# KiCad board badge.kicad_pcb (continued)
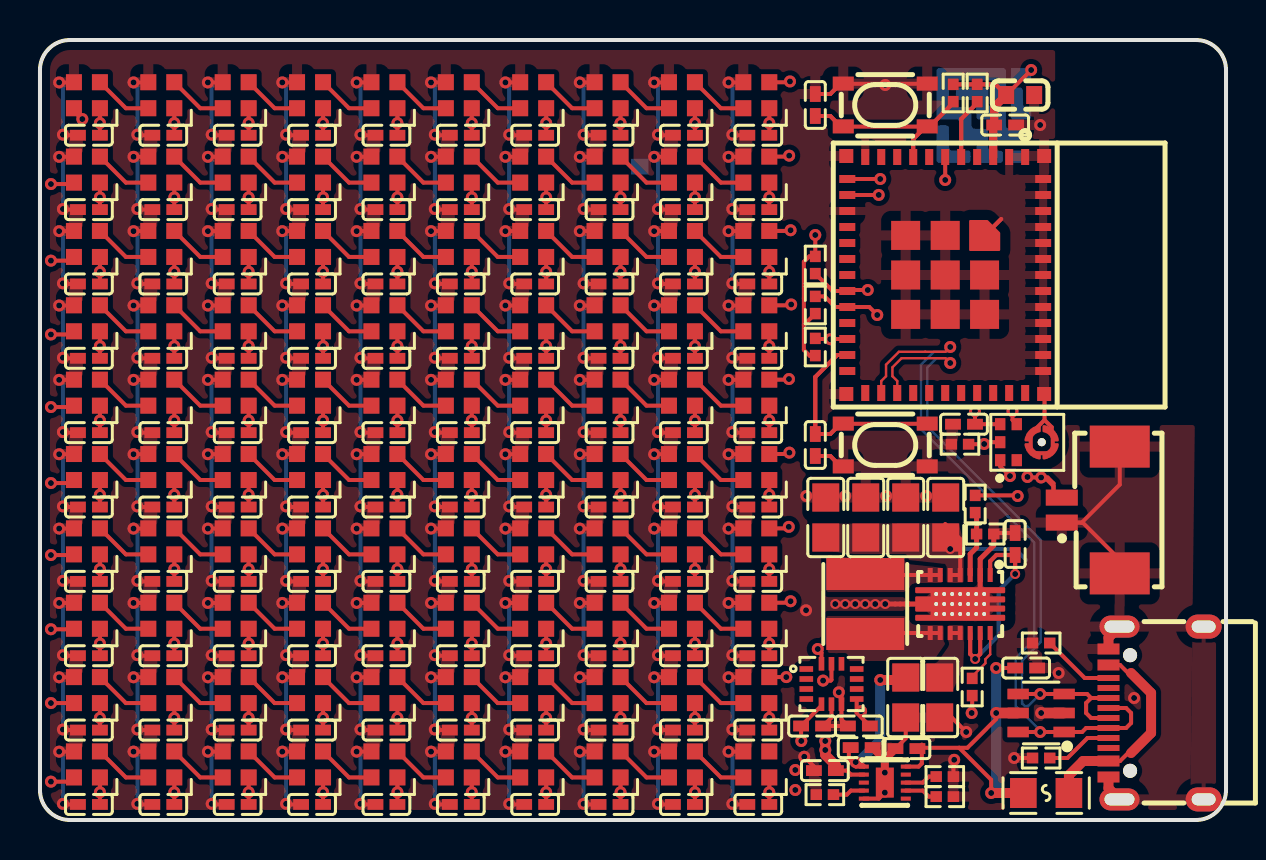
[diagram p0: board, top side]
## Library data of the parts (continued)
LED10 = -: __atopile_lib_fp_hash__: 180da655-92ec-f3a9-06cc-15ce99e7547f; LCSC: C2890036; Manufacturer: OPSCO; Partnumber: SK6805-EC20; atopile_address: led_grid.rows[0].leds[9].package; atopile_subaddresses: [.ato/modules/atopile/addressable-leds/layouts/default/default.kicad_pcb:package, layouts/grid100x100/grid100x100.kicad_pcb:rows[0].leds[9].package, layouts/strip10/strip10.kicad_pcb:leds[9].package]
LED11 = -: __atopile_lib_fp_hash__: 180da655-92ec-f3a9-06cc-15ce99e7547f; LCSC: C2890036; Manufacturer: OPSCO; Partnumber: SK6805-EC20; atopile_address: led_grid.rows[1].leds[0].package; atopile_subaddresses: [.ato/modules/atopile/addressable-leds/layouts/default/default.kicad_pcb:package, layouts/grid100x100/grid100x100.kicad_pcb:rows[1].leds[0].package, layouts/strip10/strip10.kicad_pcb:leds[0].package]
LED12 = -: __atopile_lib_fp_hash__: 180da655-92ec-f3a9-06cc-15ce99e7547f; LCSC: C2890036; Manufacturer: OPSCO; Partnumber: SK6805-EC20; atopile_address: led_grid.rows[1].leds[1].package; atopile_subaddresses: [.ato/modules/atopile/addressable-leds/layouts/default/default.kicad_pcb:package, layouts/grid100x100/grid100x100.kicad_pcb:rows[1].leds[1].package, layouts/strip10/strip10.kicad_pcb:leds[1].package]
LED13 = -: __atopile_lib_fp_hash__: 180da655-92ec-f3a9-06cc-15ce99e7547f; LCSC: C2890036; Manufacturer: OPSCO; Partnumber: SK6805-EC20; atopile_address: led_grid.rows[1].leds[2].package; atopile_subaddresses: [.ato/modules/atopile/addressable-leds/layouts/default/default.kicad_pcb:package, layouts/grid100x100/grid100x100.kicad_pcb:rows[1].leds[2].package, layouts/strip10/strip10.kicad_pcb:leds[2].package]
LED14 = -: __atopile_lib_fp_hash__: 180da655-92ec-f3a9-06cc-15ce99e7547f; LCSC: C2890036; Manufacturer: OPSCO; Partnumber: SK6805-EC20; atopile_address: led_grid.rows[1].leds[3].package; atopile_subaddresses: [.ato/modules/atopile/addressable-leds/layouts/default/default.kicad_pcb:package, layouts/grid100x100/grid100x100.kicad_pcb:rows[1].leds[3].package, layouts/strip10/strip10.kicad_pcb:leds[3].package]
LED15 = -: __atopile_lib_fp_hash__: 180da655-92ec-f3a9-06cc-15ce99e7547f; LCSC: C2890036; Manufacturer: OPSCO; Partnumber: SK6805-EC20; atopile_address: led_grid.rows[1].leds[4].package; atopile_subaddresses: [.ato/modules/atopile/addressable-leds/layouts/default/default.kicad_pcb:package, layouts/grid100x100/grid100x100.kicad_pcb:rows[1].leds[4].package, layouts/strip10/strip10.kicad_pcb:leds[4].package]
LED16 = -: __atopile_lib_fp_hash__: 180da655-92ec-f3a9-06cc-15ce99e7547f; LCSC: C2890036; Manufacturer: OPSCO; Partnumber: SK6805-EC20; atopile_address: led_grid.rows[1].leds[5].package; atopile_subaddresses: [.ato/modules/atopile/addressable-leds/layouts/default/default.kicad_pcb:package, layouts/grid100x100/grid100x100.kicad_pcb:rows[1].leds[5].package, layouts/strip10/strip10.kicad_pcb:leds[5].package]
LED17 = -: __atopile_lib_fp_hash__: 180da655-92ec-f3a9-06cc-15ce99e7547f; LCSC: C2890036; Manufacturer: OPSCO; Partnumber: SK6805-EC20; atopile_address: led_grid.rows[1].leds[6].package; atopile_subaddresses: [.ato/modules/atopile/addressable-leds/layouts/default/default.kicad_pcb:package, layouts/grid100x100/grid100x100.kicad_pcb:rows[1].leds[6].package, layouts/strip10/strip10.kicad_pcb:leds[6].package]
LED18 = -: __atopile_lib_fp_hash__: 180da655-92ec-f3a9-06cc-15ce99e7547f; LCSC: C2890036; Manufacturer: OPSCO; Partnumber: SK6805-EC20; atopile_address: led_grid.rows[1].leds[7].package; atopile_subaddresses: [.ato/modules/atopile/addressable-leds/layouts/default/default.kicad_pcb:package, layouts/grid100x100/grid100x100.kicad_pcb:rows[1].leds[7].package, layouts/strip10/strip10.kicad_pcb:leds[7].package]
LED19 = -: __atopile_lib_fp_hash__: 180da655-92ec-f3a9-06cc-15ce99e7547f; LCSC: C2890036; Manufacturer: OPSCO; Partnumber: SK6805-EC20; atopile_address: led_grid.rows[1].leds[8].package; atopile_subaddresses: [.ato/modules/atopile/addressable-leds/layouts/default/default.kicad_pcb:package, layouts/grid100x100/grid100x100.kicad_pcb:rows[1].leds[8].package, layouts/strip10/strip10.kicad_pcb:leds[8].package]
LED20 = -: __atopile_lib_fp_hash__: 180da655-92ec-f3a9-06cc-15ce99e7547f; LCSC: C2890036; Manufacturer: OPSCO; Partnumber: SK6805-EC20; atopile_address: led_grid.rows[1].leds[9].package; atopile_subaddresses: [.ato/modules/atopile/addressable-leds/layouts/default/default.kicad_pcb:package, layouts/grid100x100/grid100x100.kicad_pcb:rows[1].leds[9].package, layouts/strip10/strip10.kicad_pcb:leds[9].package]
LED21 = -: __atopile_lib_fp_hash__: 180da655-92ec-f3a9-06cc-15ce99e7547f; LCSC: C2890036; Manufacturer: OPSCO; Partnumber: SK6805-EC20; atopile_address: led_grid.rows[2].leds[0].package; atopile_subaddresses: [.ato/modules/atopile/addressable-leds/layouts/default/default.kicad_pcb:package, layouts/grid100x100/grid100x100.kicad_pcb:rows[2].leds[0].package, layouts/strip10/strip10.kicad_pcb:leds[0].package]
LED22 = -: __atopile_lib_fp_hash__: 180da655-92ec-f3a9-06cc-15ce99e7547f; LCSC: C2890036; Manufacturer: OPSCO; Partnumber: SK6805-EC20; atopile_address: led_grid.rows[2].leds[1].package; atopile_subaddresses: [.ato/modules/atopile/addressable-leds/layouts/default/default.kicad_pcb:package, layouts/grid100x100/grid100x100.kicad_pcb:rows[2].leds[1].package, layouts/strip10/strip10.kicad_pcb:leds[1].package]
LED23 = -: __atopile_lib_fp_hash__: 180da655-92ec-f3a9-06cc-15ce99e7547f; LCSC: C2890036; Manufacturer: OPSCO; Partnumber: SK6805-EC20; atopile_address: led_grid.rows[2].leds[2].package; atopile_subaddresses: [.ato/modules/atopile/addressable-leds/layouts/default/default.kicad_pcb:package, layouts/grid100x100/grid100x100.kicad_pcb:rows[2].leds[2].package, layouts/strip10/strip10.kicad_pcb:leds[2].package]
LED24 = -: __atopile_lib_fp_hash__: 180da655-92ec-f3a9-06cc-15ce99e7547f; LCSC: C2890036; Manufacturer: OPSCO; Partnumber: SK6805-EC20; atopile_address: led_grid.rows[2].leds[3].package; atopile_subaddresses: [.ato/modules/atopile/addressable-leds/layouts/default/default.kicad_pcb:package, layouts/grid100x100/grid100x100.kicad_pcb:rows[2].leds[3].package, layouts/strip10/strip10.kicad_pcb:leds[3].package]
LED25 = -: __atopile_lib_fp_hash__: 180da655-92ec-f3a9-06cc-15ce99e7547f; LCSC: C2890036; Manufacturer: OPSCO; Partnumber: SK6805-EC20; atopile_address: led_grid.rows[2].leds[4].package; atopile_subaddresses: [.ato/modules/atopile/addressable-leds/layouts/default/default.kicad_pcb:package, layouts/grid100x100/grid100x100.kicad_pcb:rows[2].leds[4].package, layouts/strip10/strip10.kicad_pcb:leds[4].package]
LED26 = -: __atopile_lib_fp_hash__: 180da655-92ec-f3a9-06cc-15ce99e7547f; LCSC: C2890036; Manufacturer: OPSCO; Partnumber: SK6805-EC20; atopile_address: led_grid.rows[2].leds[5].package; atopile_subaddresses: [.ato/modules/atopile/addressable-leds/layouts/default/default.kicad_pcb:package, layouts/grid100x100/grid100x100.kicad_pcb:rows[2].leds[5].package, layouts/strip10/strip10.kicad_pcb:leds[5].package]
LED27 = -: __atopile_lib_fp_hash__: 180da655-92ec-f3a9-06cc-15ce99e7547f; LCSC: C2890036; Manufacturer: OPSCO; Partnumber: SK6805-EC20; atopile_address: led_grid.rows[2].leds[6].package; atopile_subaddresses: [.ato/modules/atopile/addressable-leds/layouts/default/default.kicad_pcb:package, layouts/grid100x100/grid100x100.kicad_pcb:rows[2].leds[6].package, layouts/strip10/strip10.kicad_pcb:leds[6].package]
LED28 = -: __atopile_lib_fp_hash__: 180da655-92ec-f3a9-06cc-15ce99e7547f; LCSC: C2890036; Manufacturer: OPSCO; Partnumber: SK6805-EC20; atopile_address: led_grid.rows[2].leds[7].package; atopile_subaddresses: [.ato/modules/atopile/addressable-leds/layouts/default/default.kicad_pcb:package, layouts/grid100x100/grid100x100.kicad_pcb:rows[2].leds[7].package, layouts/strip10/strip10.kicad_pcb:leds[7].package]
LED29 = -: __atopile_lib_fp_hash__: 180da655-92ec-f3a9-06cc-15ce99e7547f; LCSC: C2890036; Manufacturer: OPSCO; Partnumber: SK6805-EC20; atopile_address: led_grid.rows[2].leds[8].package; atopile_subaddresses: [.ato/modules/atopile/addressable-leds/layouts/default/default.kicad_pcb:package, layouts/grid100x100/grid100x100.kicad_pcb:rows[2].leds[8].package, layouts/strip10/strip10.kicad_pcb:leds[8].package]
LED30 = -: __atopile_lib_fp_hash__: 180da655-92ec-f3a9-06cc-15ce99e7547f; LCSC: C2890036; Manufacturer: OPSCO; Partnumber: SK6805-EC20; atopile_address: led_grid.rows[2].leds[9].package; atopile_subaddresses: [.ato/modules/atopile/addressable-leds/layouts/default/default.kicad_pcb:package, layouts/grid100x100/grid100x100.kicad_pcb:rows[2].leds[9].package, layouts/strip10/strip10.kicad_pcb:leds[9].package]
LED31 = -: __atopile_lib_fp_hash__: 180da655-92ec-f3a9-06cc-15ce99e7547f; LCSC: C2890036; Manufacturer: OPSCO; Partnumber: SK6805-EC20; atopile_address: led_grid.rows[3].leds[0].package; atopile_subaddresses: [.ato/modules/atopile/addressable-leds/layouts/default/default.kicad_pcb:package, layouts/grid100x100/grid100x100.kicad_pcb:rows[3].leds[0].package, layouts/strip10/strip10.kicad_pcb:leds[0].package]
LED32 = -: __atopile_lib_fp_hash__: 180da655-92ec-f3a9-06cc-15ce99e7547f; LCSC: C2890036; Manufacturer: OPSCO; Partnumber: SK6805-EC20; atopile_address: led_grid.rows[3].leds[1].package; atopile_subaddresses: [.ato/modules/atopile/addressable-leds/layouts/default/default.kicad_pcb:package, layouts/grid100x100/grid100x100.kicad_pcb:rows[3].leds[1].package, layouts/strip10/strip10.kicad_pcb:leds[1].package]
LED33 = -: __atopile_lib_fp_hash__: 180da655-92ec-f3a9-06cc-15ce99e7547f; LCSC: C2890036; Manufacturer: OPSCO; Partnumber: SK6805-EC20; atopile_address: led_grid.rows[3].leds[2].package; atopile_subaddresses: [.ato/modules/atopile/addressable-leds/layouts/default/default.kicad_pcb:package, layouts/grid100x100/grid100x100.kicad_pcb:rows[3].leds[2].package, layouts/strip10/strip10.kicad_pcb:leds[2].package]
LED34 = -: __atopile_lib_fp_hash__: 180da655-92ec-f3a9-06cc-15ce99e7547f; LCSC: C2890036; Manufacturer: OPSCO; Partnumber: SK6805-EC20; atopile_address: led_grid.rows[3].leds[3].package; atopile_subaddresses: [.ato/modules/atopile/addressable-leds/layouts/default/default.kicad_pcb:package, layouts/grid100x100/grid100x100.kicad_pcb:rows[3].leds[3].package, layouts/strip10/strip10.kicad_pcb:leds[3].package]
LED35 = -: __atopile_lib_fp_hash__: 180da655-92ec-f3a9-06cc-15ce99e7547f; LCSC: C2890036; Manufacturer: OPSCO; Partnumber: SK6805-EC20; atopile_address: led_grid.rows[3].leds[4].package; atopile_subaddresses: [.ato/modules/atopile/addressable-leds/layouts/default/default.kicad_pcb:package, layouts/grid100x100/grid100x100.kicad_pcb:rows[3].leds[4].package, layouts/strip10/strip10.kicad_pcb:leds[4].package]
LED36 = -: __atopile_lib_fp_hash__: 180da655-92ec-f3a9-06cc-15ce99e7547f; LCSC: C2890036; Manufacturer: OPSCO; Partnumber: SK6805-EC20; atopile_address: led_grid.rows[3].leds[5].package; atopile_subaddresses: [.ato/modules/atopile/addressable-leds/layouts/default/default.kicad_pcb:package, layouts/grid100x100/grid100x100.kicad_pcb:rows[3].leds[5].package, layouts/strip10/strip10.kicad_pcb:leds[5].package]
LED37 = -: __atopile_lib_fp_hash__: 180da655-92ec-f3a9-06cc-15ce99e7547f; LCSC: C2890036; Manufacturer: OPSCO; Partnumber: SK6805-EC20; atopile_address: led_grid.rows[3].leds[6].package; atopile_subaddresses: [.ato/modules/atopile/addressable-leds/layouts/default/default.kicad_pcb:package, layouts/grid100x100/grid100x100.kicad_pcb:rows[3].leds[6].package, layouts/strip10/strip10.kicad_pcb:leds[6].package]
LED38 = -: __atopile_lib_fp_hash__: 180da655-92ec-f3a9-06cc-15ce99e7547f; LCSC: C2890036; Manufacturer: OPSCO; Partnumber: SK6805-EC20; atopile_address: led_grid.rows[3].leds[7].package; atopile_subaddresses: [.ato/modules/atopile/addressable-leds/layouts/default/default.kicad_pcb:package, layouts/grid100x100/grid100x100.kicad_pcb:rows[3].leds[7].package, layouts/strip10/strip10.kicad_pcb:leds[7].package]
LED39 = -: __atopile_lib_fp_hash__: 180da655-92ec-f3a9-06cc-15ce99e7547f; LCSC: C2890036; Manufacturer: OPSCO; Partnumber: SK6805-EC20; atopile_address: led_grid.rows[3].leds[8].package; atopile_subaddresses: [.ato/modules/atopile/addressable-leds/layouts/default/default.kicad_pcb:package, layouts/grid100x100/grid100x100.kicad_pcb:rows[3].leds[8].package, layouts/strip10/strip10.kicad_pcb:leds[8].package]
LED40 = -: __atopile_lib_fp_hash__: 180da655-92ec-f3a9-06cc-15ce99e7547f; LCSC: C2890036; Manufacturer: OPSCO; Partnumber: SK6805-EC20; atopile_address: led_grid.rows[3].leds[9].package; atopile_subaddresses: [.ato/modules/atopile/addressable-leds/layouts/default/default.kicad_pcb:package, layouts/grid100x100/grid100x100.kicad_pcb:rows[3].leds[9].package, layouts/strip10/strip10.kicad_pcb:leds[9].package]
LED41 = -: __atopile_lib_fp_hash__: 180da655-92ec-f3a9-06cc-15ce99e7547f; LCSC: C2890036; Manufacturer: OPSCO; Partnumber: SK6805-EC20; atopile_address: led_grid.rows[4].leds[0].package; atopile_subaddresses: [.ato/modules/atopile/addressable-leds/layouts/default/default.kicad_pcb:package, layouts/grid100x100/grid100x100.kicad_pcb:rows[4].leds[0].package, layouts/strip10/strip10.kicad_pcb:leds[0].package]
LED42 = -: __atopile_lib_fp_hash__: 180da655-92ec-f3a9-06cc-15ce99e7547f; LCSC: C2890036; Manufacturer: OPSCO; Partnumber: SK6805-EC20; atopile_address: led_grid.rows[4].leds[1].package; atopile_subaddresses: [.ato/modules/atopile/addressable-leds/layouts/default/default.kicad_pcb:package, layouts/grid100x100/grid100x100.kicad_pcb:rows[4].leds[1].package, layouts/strip10/strip10.kicad_pcb:leds[1].package]
LED43 = -: __atopile_lib_fp_hash__: 180da655-92ec-f3a9-06cc-15ce99e7547f; LCSC: C2890036; Manufacturer: OPSCO; Partnumber: SK6805-EC20; atopile_address: led_grid.rows[4].leds[2].package; atopile_subaddresses: [.ato/modules/atopile/addressable-leds/layouts/default/default.kicad_pcb:package, layouts/grid100x100/grid100x100.kicad_pcb:rows[4].leds[2].package, layouts/strip10/strip10.kicad_pcb:leds[2].package]
LED44 = -: __atopile_lib_fp_hash__: 180da655-92ec-f3a9-06cc-15ce99e7547f; LCSC: C2890036; Manufacturer: OPSCO; Partnumber: SK6805-EC20; atopile_address: led_grid.rows[4].leds[3].package; atopile_subaddresses: [.ato/modules/atopile/addressable-leds/layouts/default/default.kicad_pcb:package, layouts/grid100x100/grid100x100.kicad_pcb:rows[4].leds[3].package, layouts/strip10/strip10.kicad_pcb:leds[3].package]
LED45 = -: __atopile_lib_fp_hash__: 180da655-92ec-f3a9-06cc-15ce99e7547f; LCSC: C2890036; Manufacturer: OPSCO; Partnumber: SK6805-EC20; atopile_address: led_grid.rows[4].leds[4].package; atopile_subaddresses: [.ato/modules/atopile/addressable-leds/layouts/default/default.kicad_pcb:package, layouts/grid100x100/grid100x100.kicad_pcb:rows[4].leds[4].package, layouts/strip10/strip10.kicad_pcb:leds[4].package]
LED46 = -: __atopile_lib_fp_hash__: 180da655-92ec-f3a9-06cc-15ce99e7547f; LCSC: C2890036; Manufacturer: OPSCO; Partnumber: SK6805-EC20; atopile_address: led_grid.rows[4].leds[5].package; atopile_subaddresses: [.ato/modules/atopile/addressable-leds/layouts/default/default.kicad_pcb:package, layouts/grid100x100/grid100x100.kicad_pcb:rows[4].leds[5].package, layouts/strip10/strip10.kicad_pcb:leds[5].package]
LED47 = -: __atopile_lib_fp_hash__: 180da655-92ec-f3a9-06cc-15ce99e7547f; LCSC: C2890036; Manufacturer: OPSCO; Partnumber: SK6805-EC20; atopile_address: led_grid.rows[4].leds[6].package; atopile_subaddresses: [.ato/modules/atopile/addressable-leds/layouts/default/default.kicad_pcb:package, layouts/grid100x100/grid100x100.kicad_pcb:rows[4].leds[6].package, layouts/strip10/strip10.kicad_pcb:leds[6].package]
LED48 = -: __atopile_lib_fp_hash__: 180da655-92ec-f3a9-06cc-15ce99e7547f; LCSC: C2890036; Manufacturer: OPSCO; Partnumber: SK6805-EC20; atopile_address: led_grid.rows[4].leds[7].package; atopile_subaddresses: [.ato/modules/atopile/addressable-leds/layouts/default/default.kicad_pcb:package, layouts/grid100x100/grid100x100.kicad_pcb:rows[4].leds[7].package, layouts/strip10/strip10.kicad_pcb:leds[7].package]
LED49 = -: __atopile_lib_fp_hash__: 180da655-92ec-f3a9-06cc-15ce99e7547f; LCSC: C2890036; Manufacturer: OPSCO; Partnumber: SK6805-EC20; atopile_address: led_grid.rows[4].leds[8].package; atopile_subaddresses: [.ato/modules/atopile/addressable-leds/layouts/default/default.kicad_pcb:package, layouts/grid100x100/grid100x100.kicad_pcb:rows[4].leds[8].package, layouts/strip10/strip10.kicad_pcb:leds[8].package]
LED50 = -: __atopile_lib_fp_hash__: 180da655-92ec-f3a9-06cc-15ce99e7547f; LCSC: C2890036; Manufacturer: OPSCO; Partnumber: SK6805-EC20; atopile_address: led_grid.rows[4].leds[9].package; atopile_subaddresses: [.ato/modules/atopile/addressable-leds/layouts/default/default.kicad_pcb:package, layouts/grid100x100/grid100x100.kicad_pcb:rows[4].leds[9].package, layouts/strip10/strip10.kicad_pcb:leds[9].package]
LED51 = -: __atopile_lib_fp_hash__: 180da655-92ec-f3a9-06cc-15ce99e7547f; LCSC: C2890036; Manufacturer: OPSCO; Partnumber: SK6805-EC20; atopile_address: led_grid.rows[5].leds[0].package; atopile_subaddresses: [.ato/modules/atopile/addressable-leds/layouts/default/default.kicad_pcb:package, layouts/grid100x100/grid100x100.kicad_pcb:rows[5].leds[0].package, layouts/strip10/strip10.kicad_pcb:leds[0].package]
LED52 = -: __atopile_lib_fp_hash__: 180da655-92ec-f3a9-06cc-15ce99e7547f; LCSC: C2890036; Manufacturer: OPSCO; Partnumber: SK6805-EC20; atopile_address: led_grid.rows[5].leds[1].package; atopile_subaddresses: [.ato/modules/atopile/addressable-leds/layouts/default/default.kicad_pcb:package, layouts/grid100x100/grid100x100.kicad_pcb:rows[5].leds[1].package, layouts/strip10/strip10.kicad_pcb:leds[1].package]
LED53 = -: __atopile_lib_fp_hash__: 180da655-92ec-f3a9-06cc-15ce99e7547f; LCSC: C2890036; Manufacturer: OPSCO; Partnumber: SK6805-EC20; atopile_address: led_grid.rows[5].leds[2].package; atopile_subaddresses: [.ato/modules/atopile/addressable-leds/layouts/default/default.kicad_pcb:package, layouts/grid100x100/grid100x100.kicad_pcb:rows[5].leds[2].package, layouts/strip10/strip10.kicad_pcb:leds[2].package]
LED54 = -: __atopile_lib_fp_hash__: 180da655-92ec-f3a9-06cc-15ce99e7547f; LCSC: C2890036; Manufacturer: OPSCO; Partnumber: SK6805-EC20; atopile_address: led_grid.rows[5].leds[3].package; atopile_subaddresses: [.ato/modules/atopile/addressable-leds/layouts/default/default.kicad_pcb:package, layouts/grid100x100/grid100x100.kicad_pcb:rows[5].leds[3].package, layouts/strip10/strip10.kicad_pcb:leds[3].package]
LED55 = -: __atopile_lib_fp_hash__: 180da655-92ec-f3a9-06cc-15ce99e7547f; LCSC: C2890036; Manufacturer: OPSCO; Partnumber: SK6805-EC20; atopile_address: led_grid.rows[5].leds[4].package; atopile_subaddresses: [.ato/modules/atopile/addressable-leds/layouts/default/default.kicad_pcb:package, layouts/grid100x100/grid100x100.kicad_pcb:rows[5].leds[4].package, layouts/strip10/strip10.kicad_pcb:leds[4].package]
LED56 = -: __atopile_lib_fp_hash__: 180da655-92ec-f3a9-06cc-15ce99e7547f; LCSC: C2890036; Manufacturer: OPSCO; Partnumber: SK6805-EC20; atopile_address: led_grid.rows[5].leds[5].package; atopile_subaddresses: [.ato/modules/atopile/addressable-leds/layouts/default/default.kicad_pcb:package, layouts/grid100x100/grid100x100.kicad_pcb:rows[5].leds[5].package, layouts/strip10/strip10.kicad_pcb:leds[5].package]
LED57 = -: __atopile_lib_fp_hash__: 180da655-92ec-f3a9-06cc-15ce99e7547f; LCSC: C2890036; Manufacturer: OPSCO; Partnumber: SK6805-EC20; atopile_address: led_grid.rows[5].leds[6].package; atopile_subaddresses: [.ato/modules/atopile/addressable-leds/layouts/default/default.kicad_pcb:package, layouts/grid100x100/grid100x100.kicad_pcb:rows[5].leds[6].package, layouts/strip10/strip10.kicad_pcb:leds[6].package]
LED58 = -: __atopile_lib_fp_hash__: 180da655-92ec-f3a9-06cc-15ce99e7547f; LCSC: C2890036; Manufacturer: OPSCO; Partnumber: SK6805-EC20; atopile_address: led_grid.rows[5].leds[7].package; atopile_subaddresses: [.ato/modules/atopile/addressable-leds/layouts/default/default.kicad_pcb:package, layouts/grid100x100/grid100x100.kicad_pcb:rows[5].leds[7].package, layouts/strip10/strip10.kicad_pcb:leds[7].package]
LED59 = -: __atopile_lib_fp_hash__: 180da655-92ec-f3a9-06cc-15ce99e7547f; LCSC: C2890036; Manufacturer: OPSCO; Partnumber: SK6805-EC20; atopile_address: led_grid.rows[5].leds[8].package; atopile_subaddresses: [.ato/modules/atopile/addressable-leds/layouts/default/default.kicad_pcb:package, layouts/grid100x100/grid100x100.kicad_pcb:rows[5].leds[8].package, layouts/strip10/strip10.kicad_pcb:leds[8].package]
LED60 = -: __atopile_lib_fp_hash__: 180da655-92ec-f3a9-06cc-15ce99e7547f; LCSC: C2890036; Manufacturer: OPSCO; Partnumber: SK6805-EC20; atopile_address: led_grid.rows[5].leds[9].package; atopile_subaddresses: [.ato/modules/atopile/addressable-leds/layouts/default/default.kicad_pcb:package, layouts/grid100x100/grid100x100.kicad_pcb:rows[5].leds[9].package, layouts/strip10/strip10.kicad_pcb:leds[9].package]
LED61 = -: __atopile_lib_fp_hash__: 180da655-92ec-f3a9-06cc-15ce99e7547f; LCSC: C2890036; Manufacturer: OPSCO; Partnumber: SK6805-EC20; atopile_address: led_grid.rows[6].leds[0].package; atopile_subaddresses: [.ato/modules/atopile/addressable-leds/layouts/default/default.kicad_pcb:package, layouts/grid100x100/grid100x100.kicad_pcb:rows[6].leds[0].package, layouts/strip10/strip10.kicad_pcb:leds[0].package]
LED62 = -: __atopile_lib_fp_hash__: 180da655-92ec-f3a9-06cc-15ce99e7547f; LCSC: C2890036; Manufacturer: OPSCO; Partnumber: SK6805-EC20; atopile_address: led_grid.rows[6].leds[1].package; atopile_subaddresses: [.ato/modules/atopile/addressable-leds/layouts/default/default.kicad_pcb:package, layouts/grid100x100/grid100x100.kicad_pcb:rows[6].leds[1].package, layouts/strip10/strip10.kicad_pcb:leds[1].package]
LED63 = -: __atopile_lib_fp_hash__: 180da655-92ec-f3a9-06cc-15ce99e7547f; LCSC: C2890036; Manufacturer: OPSCO; Partnumber: SK6805-EC20; atopile_address: led_grid.rows[6].leds[2].package; atopile_subaddresses: [.ato/modules/atopile/addressable-leds/layouts/default/default.kicad_pcb:package, layouts/grid100x100/grid100x100.kicad_pcb:rows[6].leds[2].package, layouts/strip10/strip10.kicad_pcb:leds[2].package]
LED64 = -: __atopile_lib_fp_hash__: 180da655-92ec-f3a9-06cc-15ce99e7547f; LCSC: C2890036; Manufacturer: OPSCO; Partnumber: SK6805-EC20; atopile_address: led_grid.rows[6].leds[3].package; atopile_subaddresses: [.ato/modules/atopile/addressable-leds/layouts/default/default.kicad_pcb:package, layouts/grid100x100/grid100x100.kicad_pcb:rows[6].leds[3].package, layouts/strip10/strip10.kicad_pcb:leds[3].package]
LED65 = -: __atopile_lib_fp_hash__: 180da655-92ec-f3a9-06cc-15ce99e7547f; LCSC: C2890036; Manufacturer: OPSCO; Partnumber: SK6805-EC20; atopile_address: led_grid.rows[6].leds[4].package; atopile_subaddresses: [.ato/modules/atopile/addressable-leds/layouts/default/default.kicad_pcb:package, layouts/grid100x100/grid100x100.kicad_pcb:rows[6].leds[4].package, layouts/strip10/strip10.kicad_pcb:leds[4].package]
LED66 = -: __atopile_lib_fp_hash__: 180da655-92ec-f3a9-06cc-15ce99e7547f; LCSC: C2890036; Manufacturer: OPSCO; Partnumber: SK6805-EC20; atopile_address: led_grid.rows[6].leds[5].package; atopile_subaddresses: [.ato/modules/atopile/addressable-leds/layouts/default/default.kicad_pcb:package, layouts/grid100x100/grid100x100.kicad_pcb:rows[6].leds[5].package, layouts/strip10/strip10.kicad_pcb:leds[5].package]
LED67 = -: __atopile_lib_fp_hash__: 180da655-92ec-f3a9-06cc-15ce99e7547f; LCSC: C2890036; Manufacturer: OPSCO; Partnumber: SK6805-EC20; atopile_address: led_grid.rows[6].leds[6].package; atopile_subaddresses: [.ato/modules/atopile/addressable-leds/layouts/default/default.kicad_pcb:package, layouts/grid100x100/grid100x100.kicad_pcb:rows[6].leds[6].package, layouts/strip10/strip10.kicad_pcb:leds[6].package]
LED68 = -: __atopile_lib_fp_hash__: 180da655-92ec-f3a9-06cc-15ce99e7547f; LCSC: C2890036; Manufacturer: OPSCO; Partnumber: SK6805-EC20; atopile_address: led_grid.rows[6].leds[7].package; atopile_subaddresses: [.ato/modules/atopile/addressable-leds/layouts/default/default.kicad_pcb:package, layouts/grid100x100/grid100x100.kicad_pcb:rows[6].leds[7].package, layouts/strip10/strip10.kicad_pcb:leds[7].package]
LED69 = -: __atopile_lib_fp_hash__: 180da655-92ec-f3a9-06cc-15ce99e7547f; LCSC: C2890036; Manufacturer: OPSCO; Partnumber: SK6805-EC20; atopile_address: led_grid.rows[6].leds[8].package; atopile_subaddresses: [.ato/modules/atopile/addressable-leds/layouts/default/default.kicad_pcb:package, layouts/grid100x100/grid100x100.kicad_pcb:rows[6].leds[8].package, layouts/strip10/strip10.kicad_pcb:leds[8].package]
LED70 = -: __atopile_lib_fp_hash__: 180da655-92ec-f3a9-06cc-15ce99e7547f; LCSC: C2890036; Manufacturer: OPSCO; Partnumber: SK6805-EC20; atopile_address: led_grid.rows[6].leds[9].package; atopile_subaddresses: [.ato/modules/atopile/addressable-leds/layouts/default/default.kicad_pcb:package, layouts/grid100x100/grid100x100.kicad_pcb:rows[6].leds[9].package, layouts/strip10/strip10.kicad_pcb:leds[9].package]
